# Altium PCB TEBF0808.PcbDoc (part 1 of 11) (continued)
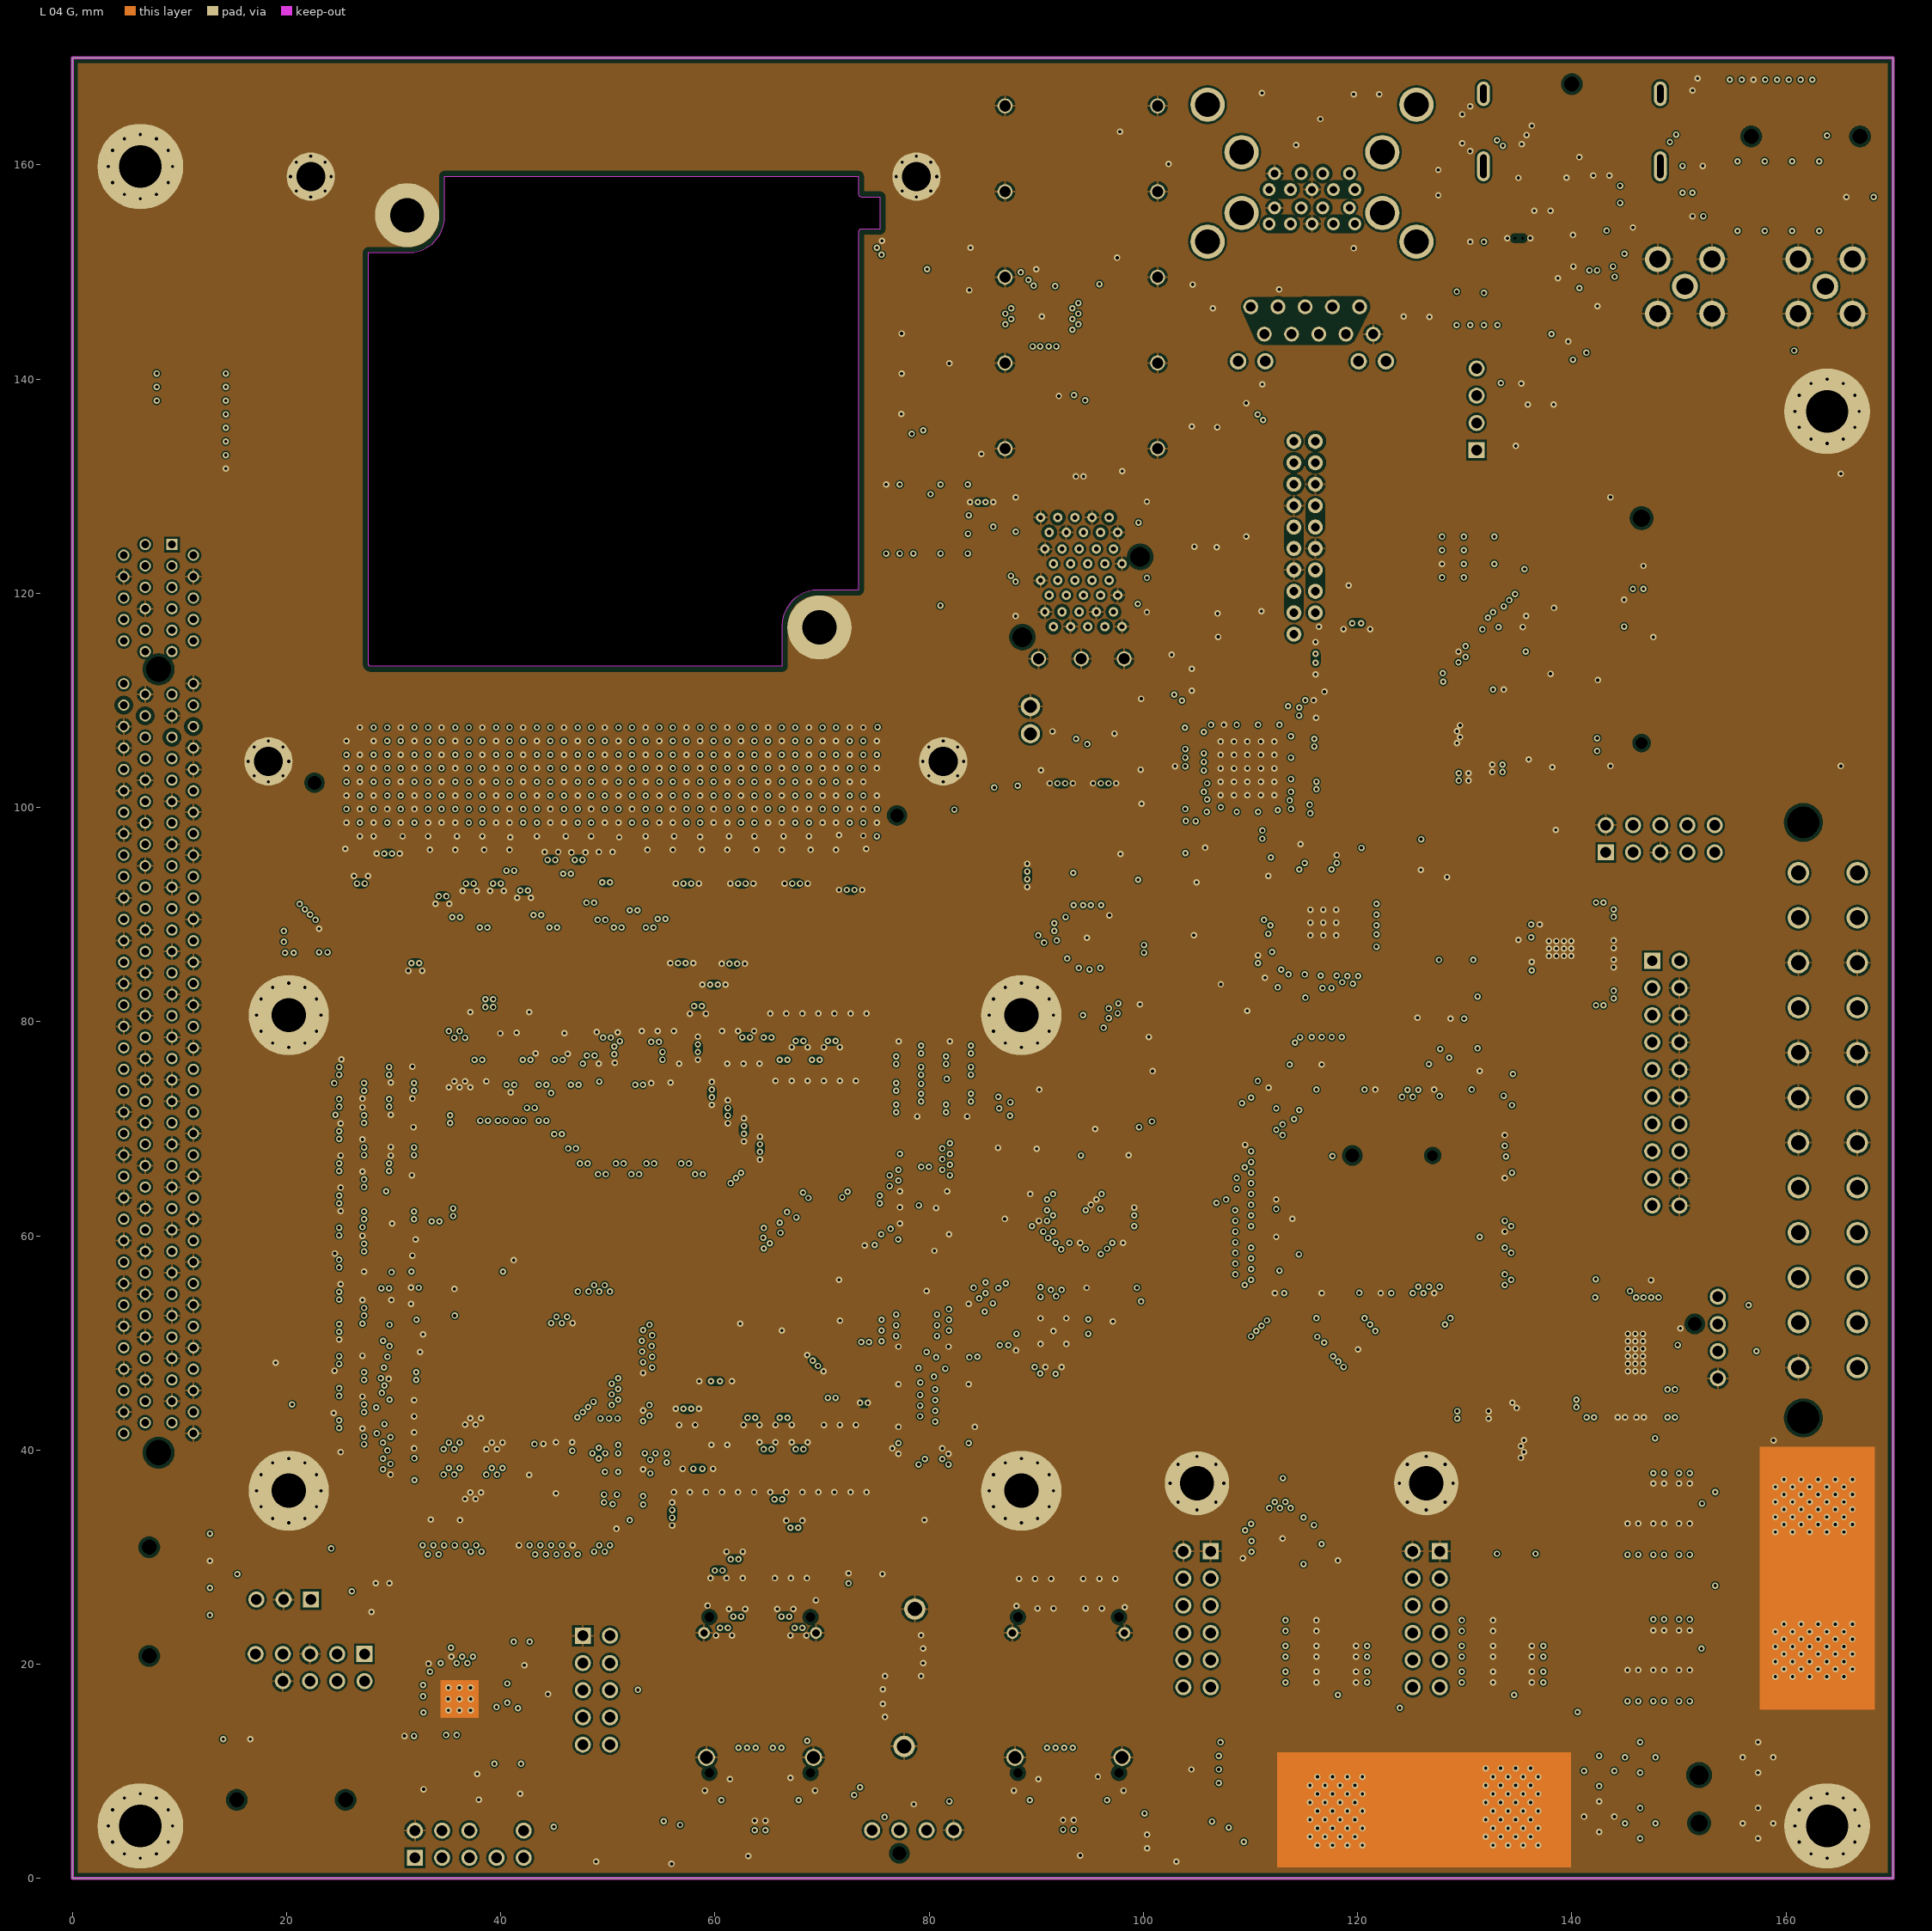
[diagram p4: L 04 G]
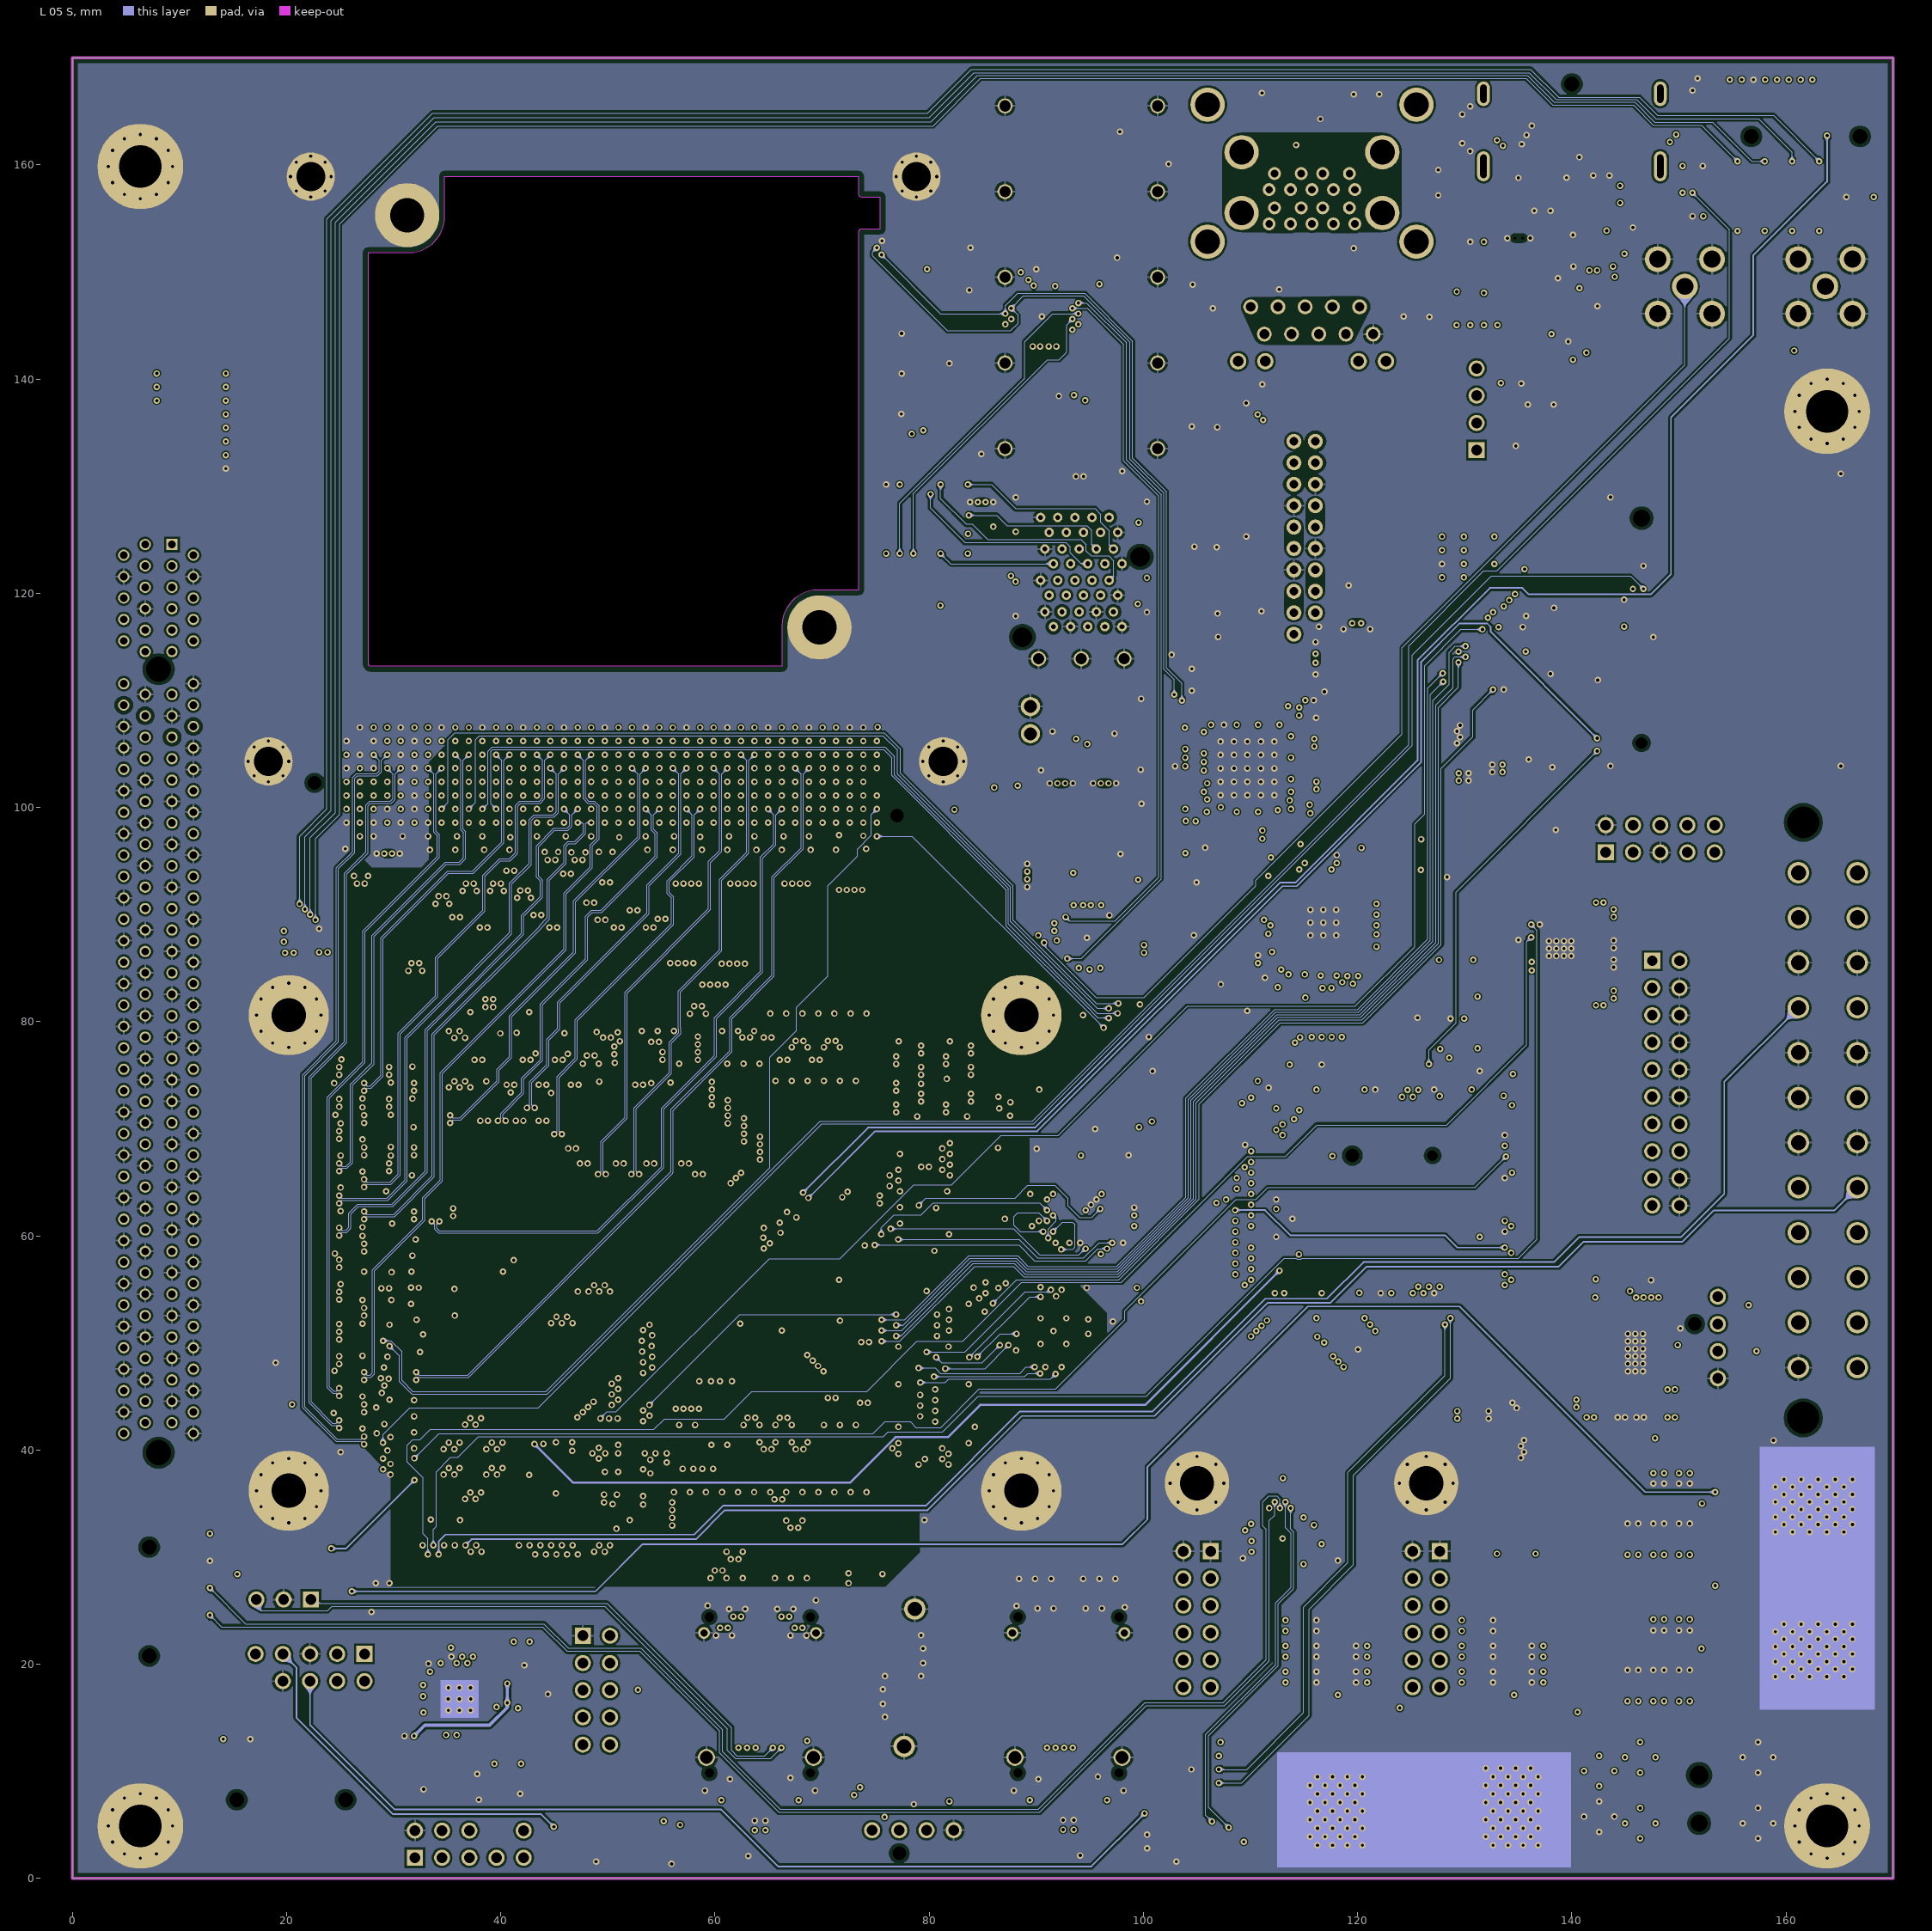
[diagram p5: L 05 S]
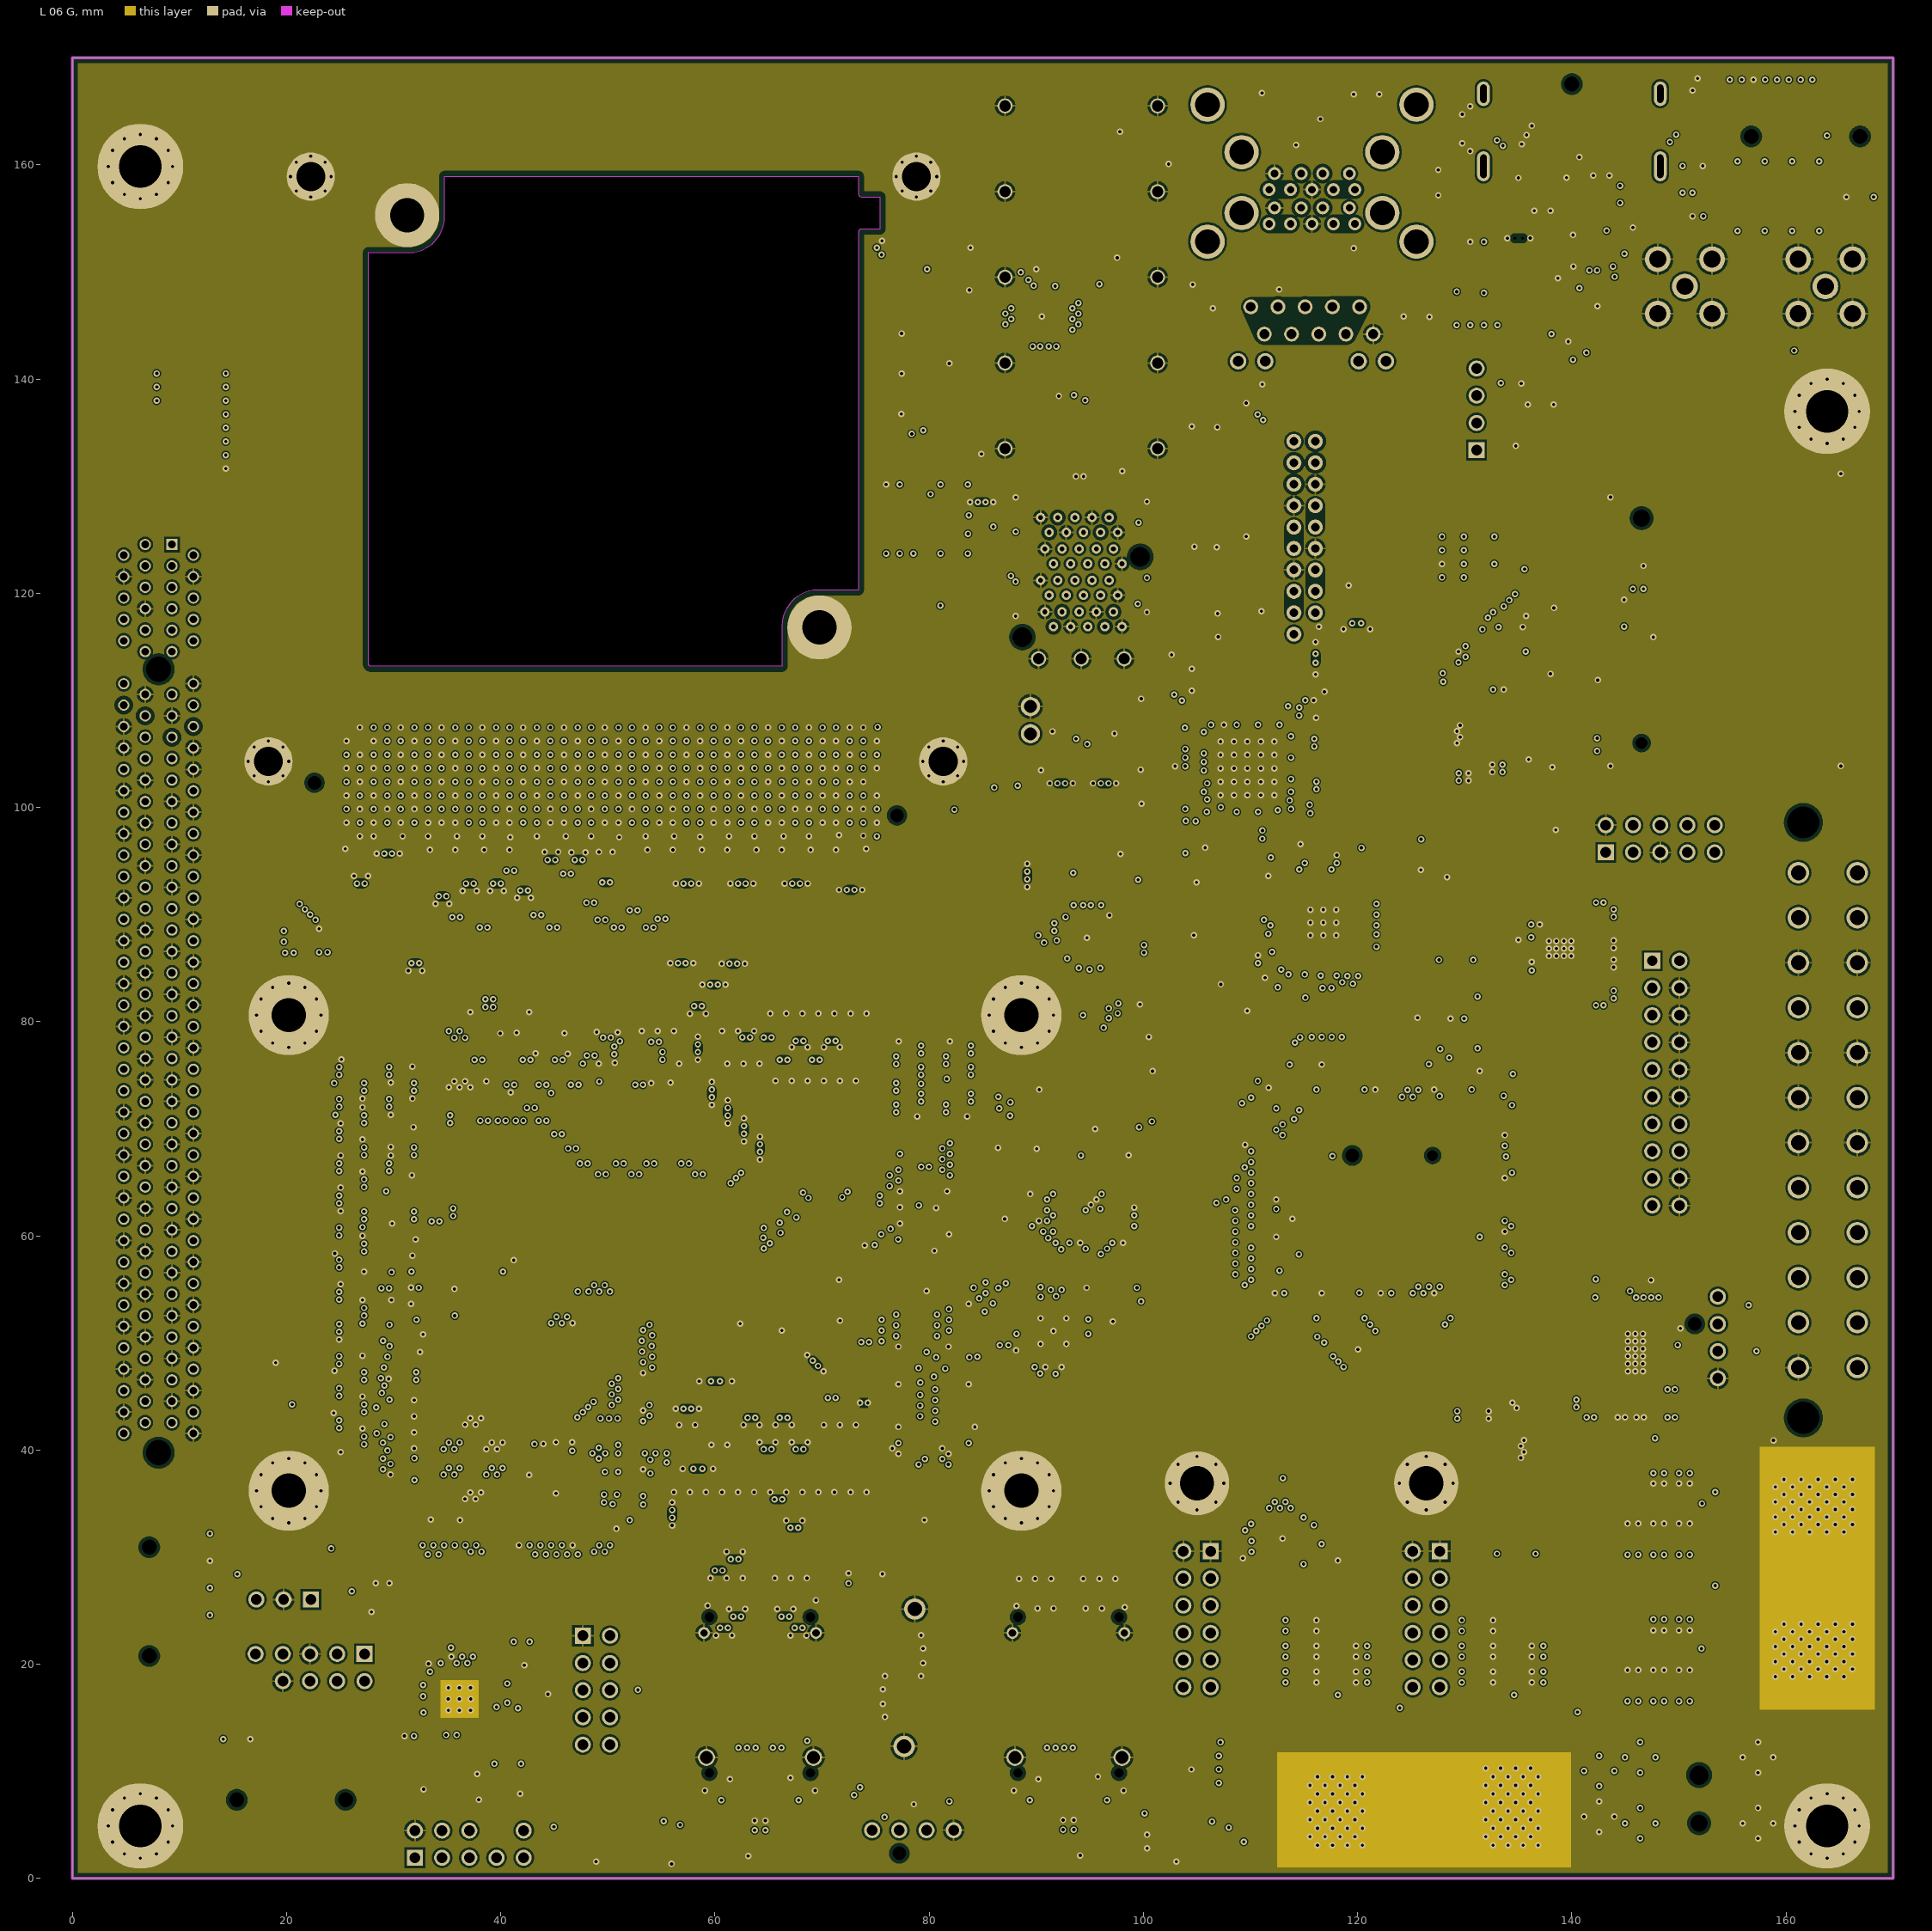
[diagram p6: L 06 G]
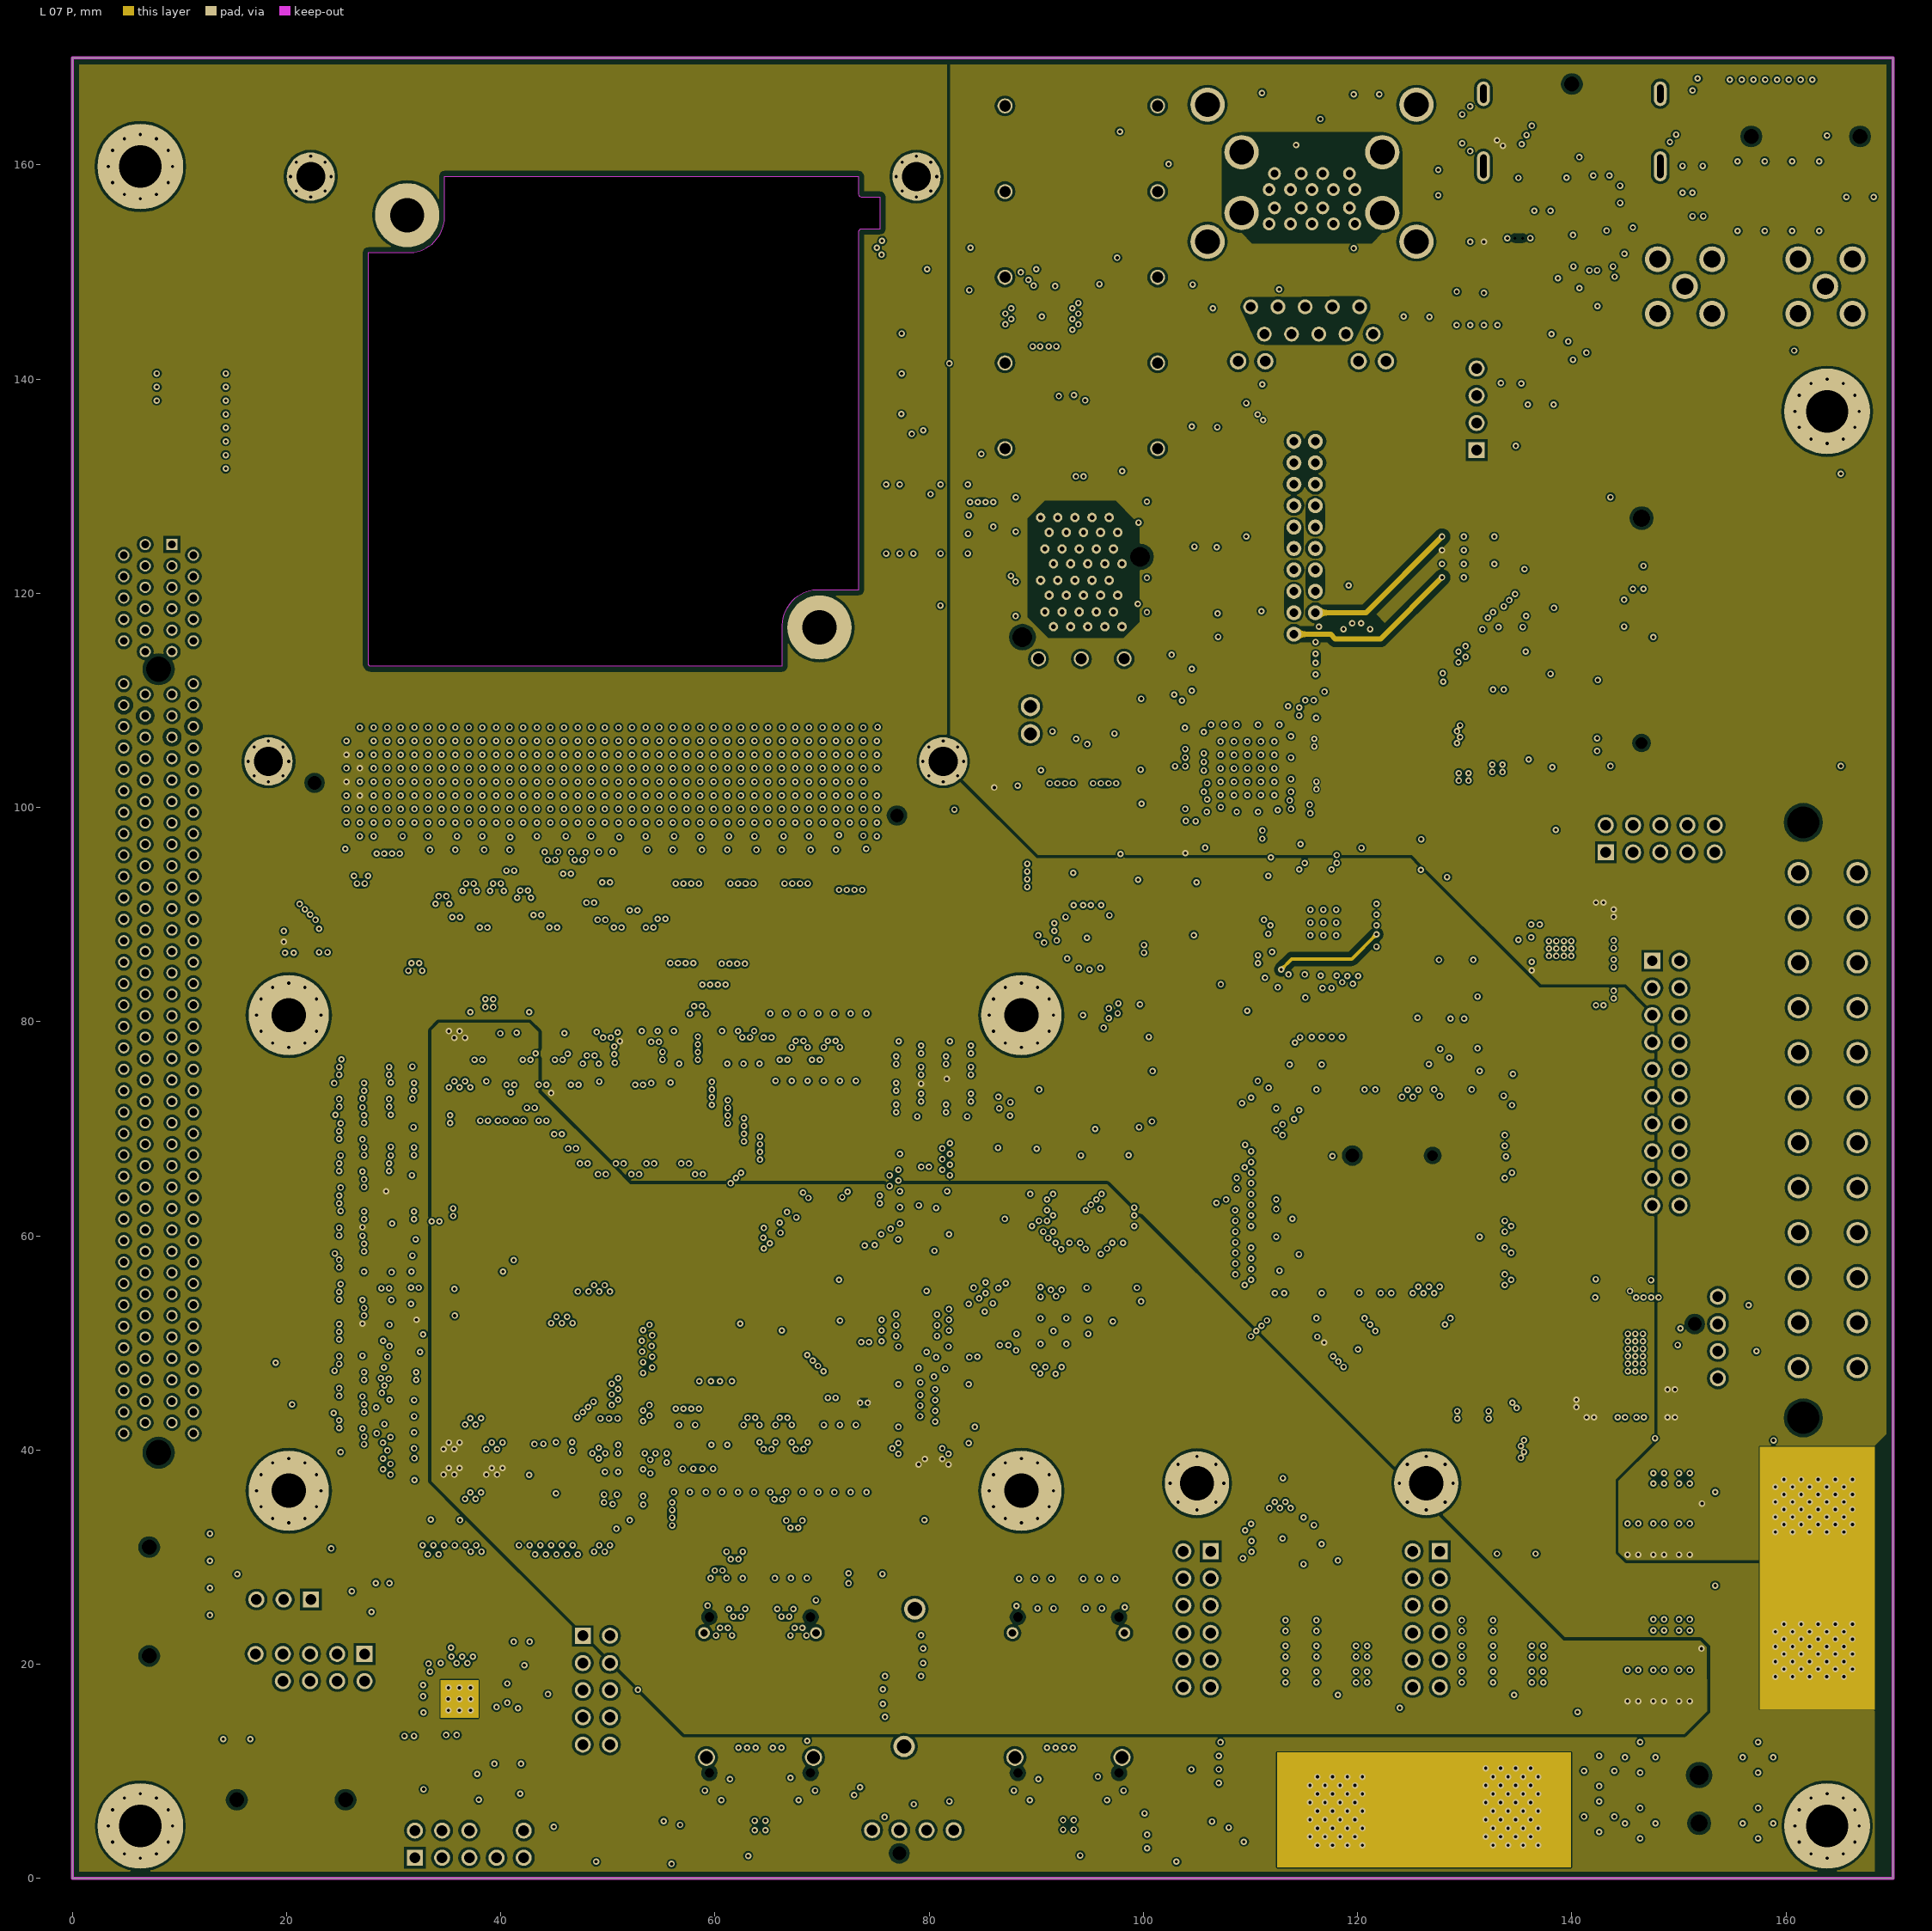
[diagram p7: L 07 P]